# Altium PCB qfc.PcbDoc (part 11 of 13) (continued)
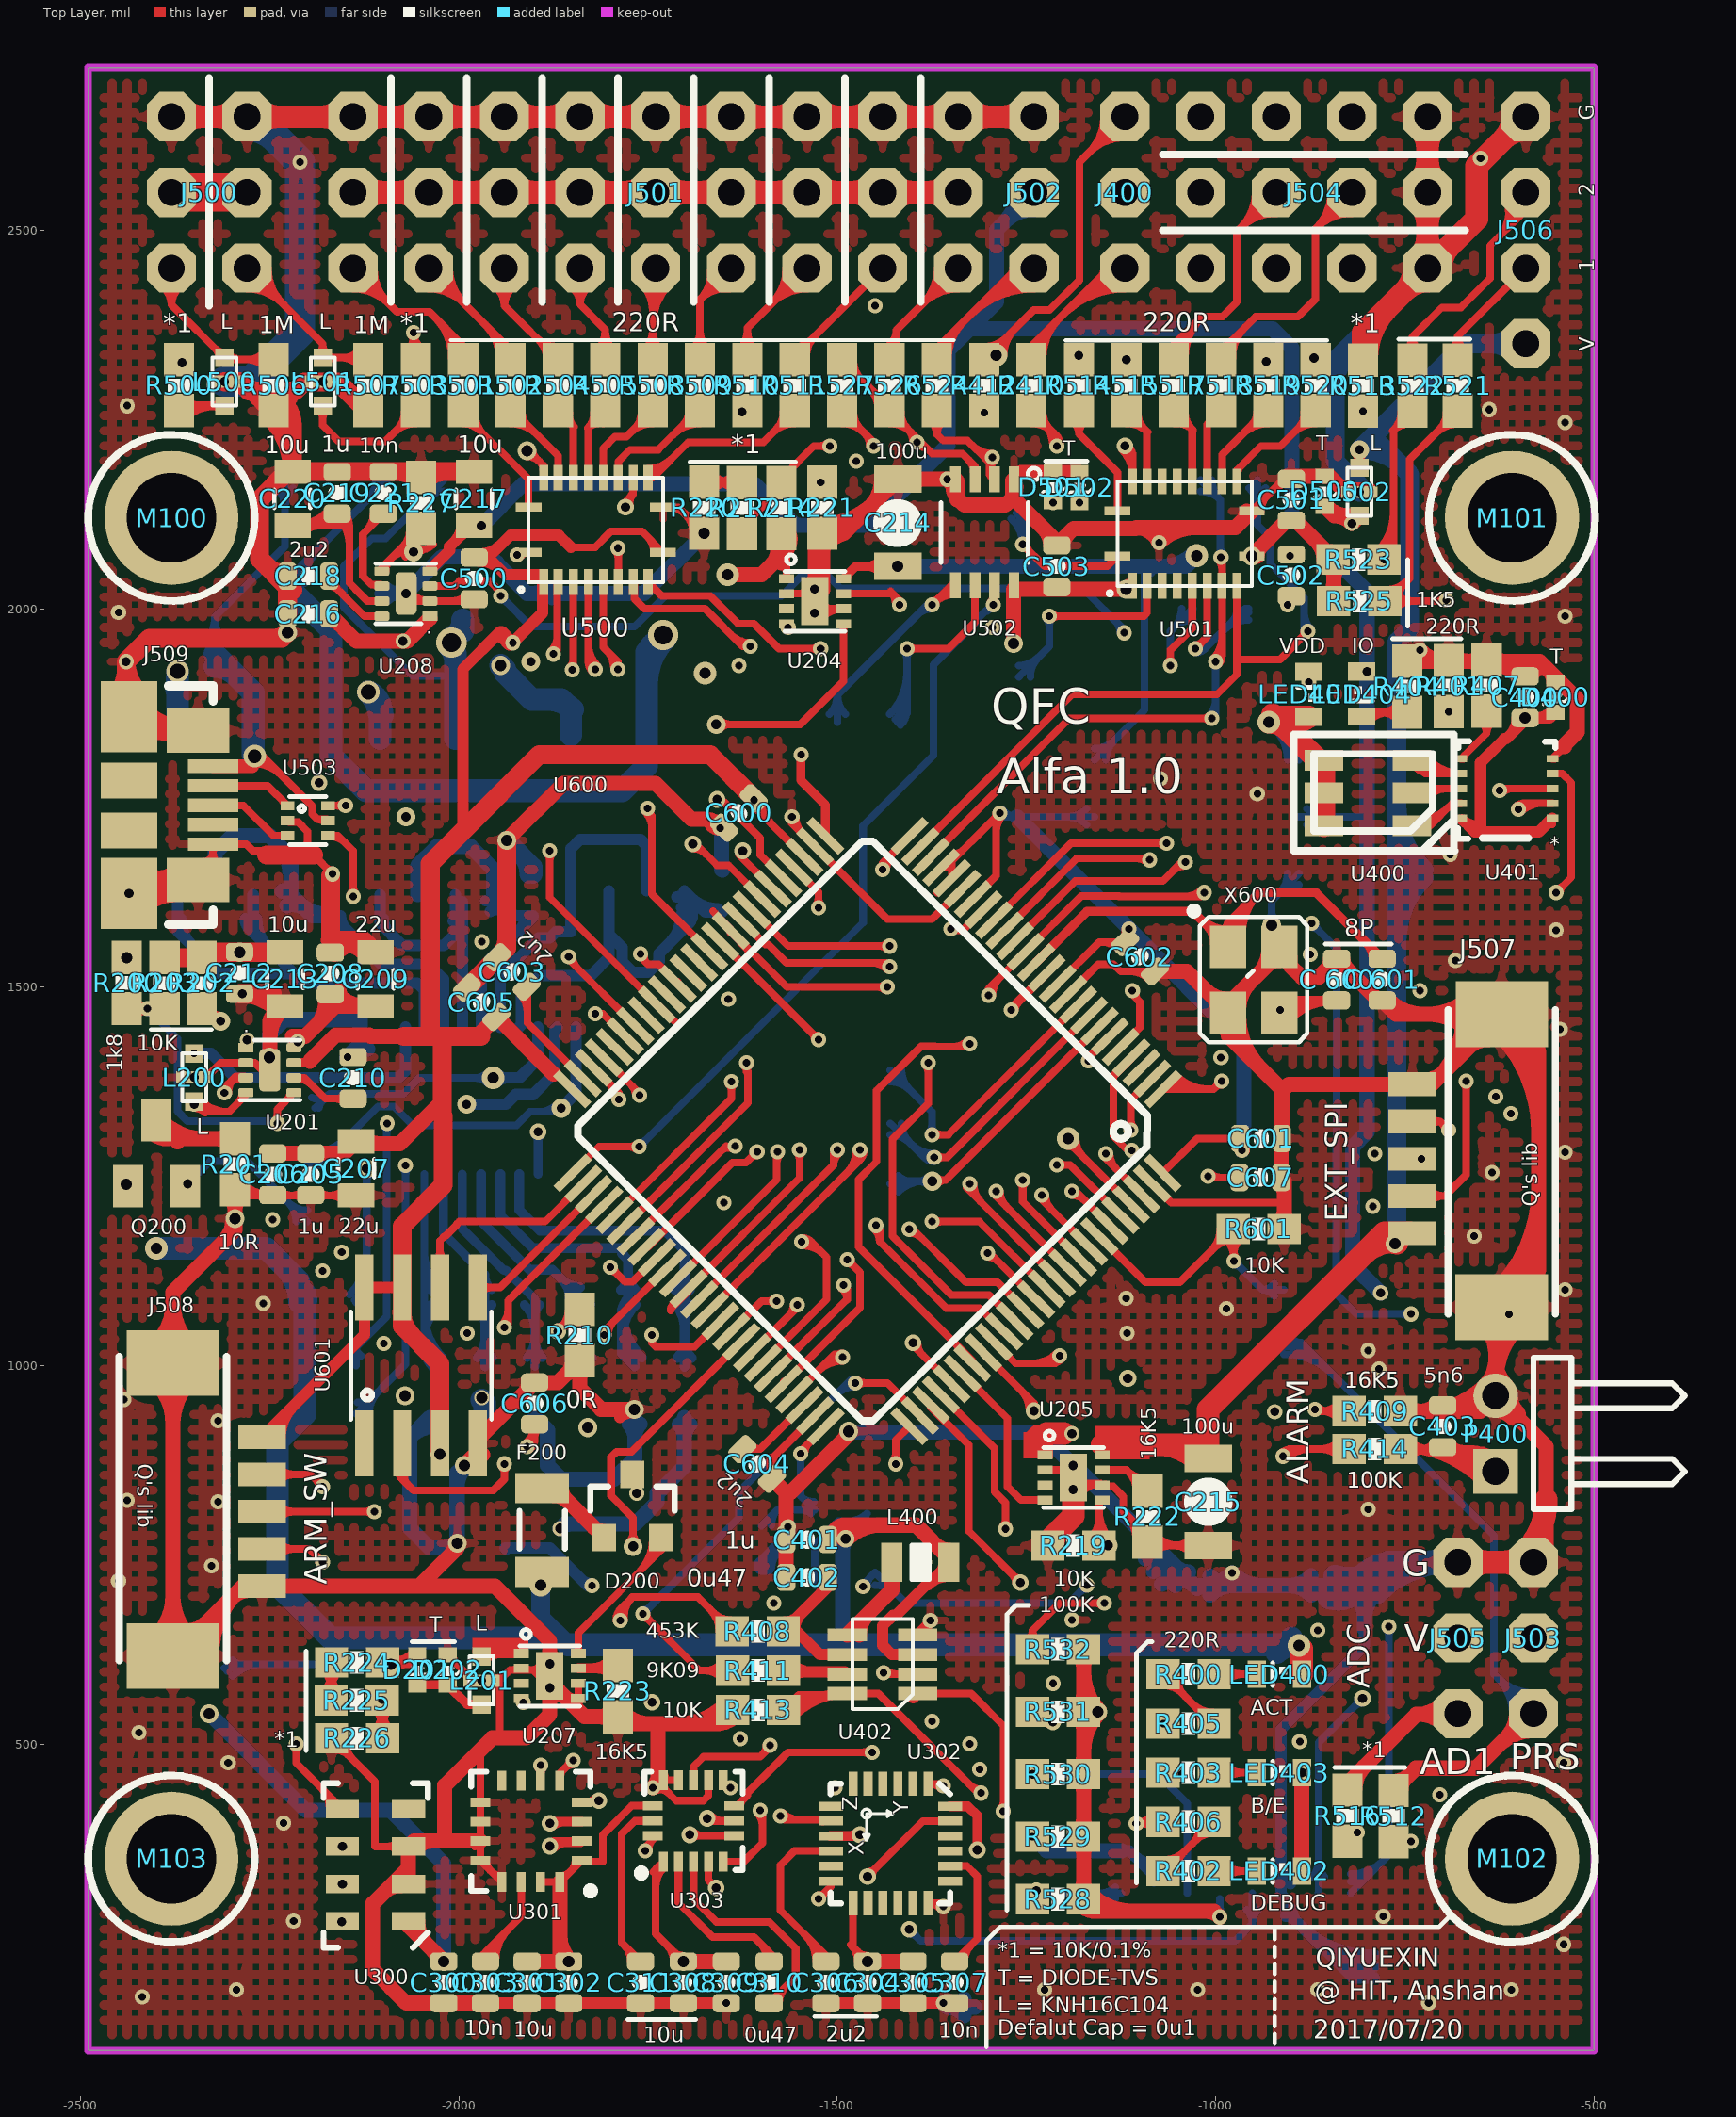
[diagram p0: Top Layer view]
## Nets (pads, with @x,y where several pads share a name; then routed paths per layer and width w, separated by ;. In a path a pad name is that pad's centre, name@x,y a point inside that pad or via, vN(x,y) a via of type N, cw(c..) or ccw(c..) an arc to the next point about the centre after c; other vN are vias at no path point) (continued)
  Mid-Layer 1 w10: v1(-1449,1185) v1@-1448,1185
  Mid-Layer 2 w10: v1(-1454,489) -1467,502 -1467,609 -1424,652 -1424,839.89 -1445,860.89 -1445,879.11 -1424,900.11 -1424,1160 v1(-1449,1185) ; -1462.54,497.54 cw(c-1471.07,489) v1@-1459,489 ; -1462.54,497.54 ccw(c-1454,506.07) v1@-1454,494 ; -1462.54,497.54 cw(c-1471.07,489) v1@-1459,489 ; -1462.54,497.54 ccw(c-1454,506.07) v1@-1454,494 ; -1462.54,497.54 cw(c-1471.07,489) v1@-1459,489 ; -1462.54,497.54 ccw(c-1454,506.07) v1@-1454,494 ; v1@-1449,1180 cw(c-1449,1167.93) -1440.46,1176.46 ; v1@-1449,1180 cw(c-1449,1167.93) -1440.46,1176.46 ; v1@-1449,1180 cw(c-1449,1167.93) -1440.46,1176.46 ; v1@-1449,1180 cw(c-1449,1167.93) -1440.46,1176.46 ; v1@-1444,1185 ccw(c-1431.93,1185) -1440.46,1176.46 ; v1@-1444,1185 ccw(c-1431.93,1185) -1440.46,1176.46 ; v1@-1444,1185 ccw(c-1431.93,1185) -1440.46,1176.46 ; v1@-1444,1185 ccw(c-1431.93,1185) -1440.46,1176.46
NetU303_9: U303.9 U600.91 | length 1680.5
  Top Layer w10: v1(-1290,1230) -1290,1223.52 U600.91@-1195.5,1129.02 ; v1@-1285,1230 ccw(c-1257.28,1230) -1276.88,1210.4 ; v1@-1285,1230 ccw(c-1257.28,1230) -1276.88,1210.4 ; v1@-1285,1230 ccw(c-1257.28,1230) -1276.88,1210.4 ; v1@-1285,1230 ccw(c-1257.28,1230) -1276.88,1210.4
  Mid-Layer 1 w10: v1(-1650,1215) -1305,1215 v1(-1290,1230) ; v1@-1646.46,1211.46 cw(c-1637.93,1202.93) -1637.93,1215 ; v1@-1646.46,1211.46 cw(c-1637.93,1202.93) -1637.93,1215 ; v1@-1646.46,1211.46 cw(c-1637.93,1202.93) -1637.93,1215 ; v1@-1646.46,1211.46 cw(c-1637.93,1202.93) -1637.93,1215 ; v1@-1646.46,1218.54 ccw(c-1637.93,1227.07) -1637.93,1215 ; v1@-1646.46,1218.54 ccw(c-1637.93,1227.07) -1637.93,1215 ; v1@-1646.46,1218.54 ccw(c-1637.93,1227.07) -1637.93,1215 ; v1@-1646.46,1218.54 ccw(c-1637.93,1227.07) -1637.93,1215 ; -1298.54,1221.46 cw(c-1290,1212.93) v1@-1290,1225 ; -1298.54,1221.46 ccw(c-1307.07,1230) v1@-1295,1230 ; -1298.54,1221.46 cw(c-1290,1212.93) v1@-1290,1225 ; -1298.54,1221.46 ccw(c-1307.07,1230) v1@-1295,1230 ; -1298.54,1221.46 cw(c-1290,1212.93) v1@-1290,1225 ; -1298.54,1221.46 ccw(c-1307.07,1230) v1@-1295,1230 ; -1298.54,1221.46 cw(c-1290,1212.93) v1@-1290,1225 ; -1298.54,1221.46 ccw(c-1307.07,1230) v1@-1295,1230
  Mid-Layer 2 w10: v1(-1650,1215) -1650,475 -1645,470 -1645,450 -1641,446 -1641,441 v1(-1641,442) ; v1@-1653.54,1211.46 cw(c-1662.07,1202.93) -1650,1202.93 ; v1@-1653.54,1211.46 cw(c-1662.07,1202.93) -1650,1202.93 ; v1@-1653.54,1211.46 cw(c-1662.07,1202.93) -1650,1202.93 ; v1@-1653.54,1211.46 cw(c-1662.07,1202.93) -1650,1202.93 ; -1650,1202.93 cw(c-1637.93,1202.93) v1@-1646.46,1211.46 ; -1650,1202.93 cw(c-1637.93,1202.93) v1@-1646.46,1211.46 ; -1650,1202.93 cw(c-1637.93,1202.93) v1@-1646.46,1211.46 ; -1650,1202.93 cw(c-1637.93,1202.93) v1@-1646.46,1211.46 ; -1645,463.73 ccw(c-1619.27,463.73) v1@-1637.46,445.54 ; -1645,463.73 ccw(c-1619.27,463.73) v1@-1637.46,445.54 ; -1645,463.73 ccw(c-1619.27,463.73) v1@-1637.46,445.54 ; -1645,463.73 ccw(c-1619.27,463.73) v1@-1637.46,445.54
NetU303_11: U303.11 U600.90 | length 1775.3
  Top Layer w10: U303.11@-1690,452.27 -1690,470 -1677,483 -1602,483 v1@-1587,498 ; v1@-1329.66,1235.34 U600.90@-1209.42,1115.1 ; -1598.64,486.36 ccw(c-1610.27,498) v1@-1593.82,498 ; -1598.64,486.36 ccw(c-1610.27,498) v1@-1593.82,498 ; -1598.64,486.36 ccw(c-1610.27,498) v1@-1593.82,498 ; -1598.64,486.36 ccw(c-1610.27,498) v1@-1593.82,498 ; v1@-1320,1240 ccw(c-1285.43,1240) -1309.87,1215.55 ; v1@-1320,1240 ccw(c-1285.43,1240) -1309.87,1215.55 ; v1@-1320,1240 ccw(c-1285.43,1240) -1309.87,1215.55 ; v1@-1320,1240 ccw(c-1285.43,1240) -1309.87,1215.55
  Mid-Layer 1 w10: v1(-1588.82,498) -1574.82,512 -1440.89,512 -1433.89,505 v1@-1325,505 ; v1@-1588.82,503 ccw(c-1588.82,515.07) -1580.28,506.54 ; v1@-1588.82,503 ccw(c-1588.82,515.07) -1580.28,506.54 ; v1@-1588.82,503 ccw(c-1588.82,515.07) -1580.28,506.54 ; v1@-1583.82,498 cw(c-1571.75,498) -1580.28,506.54 ; v1@-1583.82,498 cw(c-1571.75,498) -1580.28,506.54 ; v1@-1583.82,498 cw(c-1571.75,498) -1580.28,506.54 ; -1349.14,505 cw(c-1349.14,475.86) v1@-1328.54,496.46 ; -1349.14,505 cw(c-1349.14,475.86) v1@-1328.54,496.46 ; -1349.14,505 cw(c-1349.14,475.86) v1@-1328.54,496.46 ; -1349.14,505 cw(c-1349.14,475.86) v1@-1328.54,496.46
  Mid-Layer 2 w10: v1(-1325,500) v1(-1325,1240) ; v1@-1328.54,503.54 ccw(c-1337.07,512.07) -1325,512.07 ; v1@-1328.54,503.54 ccw(c-1337.07,512.07) -1325,512.07 ; v1@-1328.54,503.54 ccw(c-1337.07,512.07) -1325,512.07 ; v1@-1328.54,503.54 ccw(c-1337.07,512.07) -1325,512.07 ; v1@-1328.54,1236.46 cw(c-1337.07,1227.93) -1325,1227.93 ; v1@-1328.54,1236.46 cw(c-1337.07,1227.93) -1325,1227.93 ; v1@-1328.54,1236.46 cw(c-1337.07,1227.93) -1325,1227.93 ; v1@-1328.54,1236.46 cw(c-1337.07,1227.93) -1325,1227.93 ; -1325,512.07 ccw(c-1312.93,512.07) v1@-1321.46,503.54 ; -1325,512.07 ccw(c-1312.93,512.07) v1@-1321.46,503.54 ; -1325,512.07 ccw(c-1312.93,512.07) v1@-1321.46,503.54 ; -1325,512.07 ccw(c-1312.93,512.07) v1@-1321.46,503.54 ; -1325,1227.93 cw(c-1312.93,1227.93) v1@-1321.46,1236.46 ; -1325,1227.93 cw(c-1312.93,1227.93) v1@-1321.46,1236.46 ; -1325,1227.93 cw(c-1312.93,1227.93) v1@-1321.46,1236.46 ; -1325,1227.93 cw(c-1312.93,1227.93) v1@-1321.46,1236.46
NetU400_C1: U400.C1 U401.9 | length 439.7
  Top Layer w10: U400.C1@-740.61,1713.2 -716.79,1713.21 -687.31,1742.69 U401.9@-675.63,1742.69 ; U400.C1@-728.8,1711.98 ccw(c-728.8,1738.03) -710.39,1719.61 ; U400.C1@-728.8,1711.98 ccw(c-728.8,1738.03) -710.39,1719.61 ; U400.C1@-728.8,1711.98 ccw(c-728.8,1738.03) -710.39,1719.61 ; U400.C1@-728.8,1711.98 ccw(c-728.8,1738.03) -710.39,1719.61 ; U400.C1@-728.8,1721.98 ccw(c-728.8,1772.17) -693.32,1736.68 ; U400.C1@-728.8,1721.98 ccw(c-728.8,1772.17) -693.32,1736.68 ; U400.C1@-728.8,1721.98 ccw(c-728.8,1772.17) -693.32,1736.68 ; U400.C1@-728.8,1721.98 ccw(c-728.8,1772.17) -693.32,1736.68 ; -693.35,1736.65 cw(c-678.58,1721.87) U401.9@-678.58,1742.76 ; -693.35,1736.65 cw(c-678.58,1721.87) U401.9@-678.58,1742.76 ; -693.35,1736.65 cw(c-678.58,1721.87) U401.9@-678.58,1742.76 ; -693.35,1736.65 cw(c-678.58,1721.87) U401.9@-678.58,1742.76 ; -691.68,1738.32 cw(c-680.63,1727.26) U401.9@-678.57,1742.76 ; -691.68,1738.32 cw(c-680.63,1727.26) U401.9@-678.57,1742.76 ; -691.68,1738.32 cw(c-680.63,1727.26) U401.9@-678.57,1742.76 ; -691.68,1738.32 cw(c-680.63,1727.26) U401.9@-678.57,1742.76
NetU400_C2: U400.C2 U401.8 | length 196.8
  Top Layer w10: U400.C2@-740.61,1756.51 -734.76,1762.37 U401.8@-675.63,1762.37 ; U400.C2@-722.6,1750.3 cw(c-693.47,1721.18) -693.47,1762.37 ; U400.C2@-722.6,1750.3 cw(c-693.47,1721.18) -693.47,1762.37 ; U400.C2@-722.6,1750.3 cw(c-693.47,1721.18) -693.47,1762.37 ; U400.C2@-722.6,1750.3 cw(c-693.46,1721.17) -693.46,1762.37
NetU400_C3: U400.C3 U401.7 | length 541.5
  Top Layer w10: U400.C3@-740.61,1799.82 -723.09,1782.29 U401.7@-675.87,1782.29 ; U401.7@-675.63,1782.06 U401.7@-675.87,1782.29 ; U400.C3@-737.75,1793.04 ccw(c-716.11,1809.43) -716.11,1782.29 ; U400.C3@-737.75,1793.04 ccw(c-716.11,1809.43) -716.11,1782.29 ; U400.C3@-737.75,1793.04 ccw(c-716.11,1809.43) -716.11,1782.29 ; U400.C3@-737.75,1793.04 ccw(c-716.11,1809.43) -716.11,1782.29 ; U400.C3@-729.78,1799.08 ccw(c-695.99,1824.68) -695.99,1782.29 ; U400.C3@-729.78,1799.08 ccw(c-695.99,1824.68) -695.99,1782.29 ; U400.C3@-729.78,1799.08 ccw(c-695.99,1824.68) -695.99,1782.29 ; U400.C3@-729.78,1799.08 ccw(c-695.99,1824.68) -695.99,1782.29 ; U400.C3@-721.81,1805.12 ccw(c-675.87,1839.92) U401.7@-675.87,1782.29 ; U400.C3@-721.81,1805.12 ccw(c-675.87,1839.92) U401.7@-675.87,1782.29 ; U400.C3@-721.81,1805.12 ccw(c-675.87,1839.92) U401.7@-675.87,1782.29 ; U400.C3@-721.81,1805.12 ccw(c-675.87,1839.92) U401.7@-675.87,1782.29
NetU401_2: U401.2 U600.48 | length 2273.6
  Top Layer w10: U600.48@-1822.01,1393.41 v1@-1788.6,1360 ; v1(-600,1735) -592.32,1742.68 U401.2@-555,1742.68 ; U600.48@-1803.21,1374.62 cw(c-1826.43,1351.4) v1@-1793.6,1351.4 ; U600.48@-1803.21,1374.62 cw(c-1826.43,1351.4) v1@-1793.6,1351.4 ; U600.48@-1803.21,1374.62 cw(c-1826.43,1351.4) v1@-1793.6,1351.4 ; U600.48@-1803.21,1374.62 cw(c-1826.43,1351.4) v1@-1793.6,1351.4 ; v1@-603.54,1738.54 cw(c-593.52,1728.52) -593.52,1742.68 ; v1@-603.54,1738.54 cw(c-593.52,1728.52) -593.52,1742.68 ; v1@-603.54,1738.54 cw(c-593.52,1728.52) -593.52,1742.68 ; v1@-603.54,1738.54 cw(c-593.52,1728.52) -593.52,1742.68 ; v1@-596.46,1731.46 cw(c-569.38,1704.38) -569.38,1742.68 ; v1@-596.46,1731.46 cw(c-569.38,1704.38) -569.38,1742.68 ; v1@-596.46,1731.46 cw(c-569.38,1704.38) -569.38,1742.68 ; v1@-596.46,1731.46 cw(c-569.38,1704.38) -569.38,1742.68
  Mid-Layer 1 w10: v1(-1788.6,1351.4) -1772.2,1335 -1705,1335 ; -1703,1333 v1(-610,1333) ; v1@-1788.6,1346.4 cw(c-1788.6,1334.33) -1780.06,1342.87 ; v1@-1788.6,1346.4 cw(c-1788.6,1334.33) -1780.06,1342.87 ; v1@-1788.6,1346.4 cw(c-1788.6,1334.33) -1780.06,1342.87 ; v1@-1788.6,1346.4 cw(c-1788.6,1334.33) -1780.06,1342.87 ; v1@-1783.6,1351.4 ccw(c-1771.53,1351.4) -1780.06,1342.87 ; v1@-1783.6,1351.4 ccw(c-1771.53,1351.4) -1780.06,1342.87 ; v1@-1783.6,1351.4 ccw(c-1771.53,1351.4) -1780.06,1342.87 ; v1@-1783.6,1351.4 ccw(c-1771.53,1351.4) -1780.06,1342.87 ; -622.07,1333 cw(c-622.07,1320.93) v1@-613.54,1329.46 ; -622.07,1333 ccw(c-622.07,1345.07) v1@-613.54,1336.54 ; -622.07,1333 cw(c-622.07,1320.93) v1@-613.54,1329.46 ; -622.07,1333 ccw(c-622.07,1345.07) v1@-613.54,1336.54 ; -622.07,1333 cw(c-622.07,1320.93) v1@-613.54,1329.46 ; -622.07,1333 ccw(c-622.07,1345.07) v1@-613.54,1336.54 ; -622.07,1333 cw(c-622.07,1320.93) v1@-613.54,1329.46 ; -622.07,1333 ccw(c-622.07,1345.07) v1@-613.54,1336.54
  Mid-Layer 2 w10: v1@-605,1338 v1@-605,1730 ; v1@-613.54,1336.54 ccw(c-634.14,1357.14) -605,1357.14 ; v1@-613.54,1336.54 ccw(c-634.14,1357.14) -605,1357.14 ; v1@-613.54,1336.54 ccw(c-634.14,1357.14) -605,1357.14 ; v1@-613.54,1336.54 ccw(c-634.14,1357.14) -605,1357.14 ; -605,1710.86 cw(c-575.86,1710.86) v1@-596.46,1731.46 ; -605,1710.86 cw(c-575.86,1710.86) v1@-596.46,1731.46 ; -605,1710.86 cw(c-575.86,1710.86) v1@-596.46,1731.46 ; -605,1710.86 cw(c-575.86,1710.86) v1@-596.46,1731.46
NetU401_3: U401.3 U600.47 | length 2134.3
  Top Layer w10: U600.47@-1808.58,1406.85 -1761.6,1359.87 v1(-1761.6,1357) ; v1(-625,1760) -622.63,1762.37 U401.3@-555,1762.37 ; -1772.16,1370.44 cw(c-1785.6,1357) v1@-1766.6,1357 ; -1772.16,1370.44 cw(c-1785.6,1357) v1@-1766.6,1357 ; -1772.16,1370.44 cw(c-1785.6,1357) v1@-1766.6,1357 ; -1772.16,1370.44 cw(c-1785.6,1357) v1@-1766.6,1357 ; v1@-621.46,1756.46 cw(c-607.21,1742.21) -607.21,1762.37 ; v1@-621.46,1756.46 cw(c-607.21,1742.21) -607.21,1762.37 ; v1@-621.46,1756.46 cw(c-607.21,1742.21) -607.21,1762.37 ; v1@-621.46,1756.46 cw(c-607.21,1742.21) -607.21,1762.37
  Mid-Layer 1 w10: v1(-1761.6,1357) -1756.6,1352 -633,1352 v1(-630,1355) ; v1@-1758.06,1360.54 ccw(c-1737.46,1381.14) -1737.46,1352 ; v1@-1758.06,1360.54 ccw(c-1737.46,1381.14) -1737.46,1352 ; v1@-1758.06,1360.54 ccw(c-1737.46,1381.14) -1737.46,1352 ; v1@-1758.06,1360.54 ccw(c-1737.46,1381.14) -1737.46,1352 ; -649.31,1352 ccw(c-649.31,1374.31) v1@-633.54,1358.54 ; -649.31,1352 ccw(c-649.31,1374.31) v1@-633.54,1358.54 ; -649.31,1352 ccw(c-649.31,1374.31) v1@-633.54,1358.54 ; -649.31,1352 ccw(c-649.31,1374.31) v1@-633.54,1358.54
  Mid-Layer 2 w10: v1(-630,1355) -630,1755 v1(-625,1760) ; v1@-633.54,1358.54 ccw(c-642.07,1367.07) -630,1367.07 ; v1@-633.54,1358.54 ccw(c-642.07,1367.07) -630,1367.07 ; v1@-633.54,1358.54 ccw(c-642.07,1367.07) -630,1367.07 ; v1@-633.54,1358.54 ccw(c-642.07,1367.07) -630,1367.07 ; -630,1367.07 ccw(c-617.93,1367.07) v1@-626.46,1358.54 ; -630,1367.07 ccw(c-617.93,1367.07) v1@-626.46,1358.54 ; -630,1367.07 ccw(c-617.93,1367.07) v1@-626.46,1358.54 ; -630,1367.07 ccw(c-617.93,1367.07) v1@-626.46,1358.54 ; -630,1735.86 cw(c-600.86,1735.86) v1@-621.46,1756.46 ; -630,1735.86 cw(c-600.86,1735.86) v1@-621.46,1756.46 ; -630,1735.86 cw(c-600.86,1735.86) v1@-621.46,1756.46 ; -630,1735.86 cw(c-600.86,1735.86) v1@-621.46,1756.46
NetU500_1: U500.1 U600.40 | length 1334.7
  Top Layer w10: v1(-1923,2071) -1919.53,2074.47 U500.1@-1908,2074.47 ; v1(-1760,1544) -1760,1540 -1750,1530 -1736.57,1530 U600.40@-1711,1504.43 U600.40@-1711,1507.26 ; v1@-1918.72,2068.42 cw(c-1908,2061.96) U500.1@-1908,2074.47 ; v1@-1918.72,2068.42 cw(c-1908,2061.96) U500.1@-1908,2074.47 ; v1@-1918.72,2068.42 cw(c-1908,2061.96) U500.1@-1908,2074.47 ; v1@-1918.72,2068.42 cw(c-1908,2061.96) U500.1@-1908,2074.47 ; v1@-1755.13,1542.88 ccw(c-1743.74,1540.26) -1752,1532 ; v1@-1755.13,1542.88 ccw(c-1743.74,1540.26) -1752,1532 ; v1@-1755.13,1542.88 ccw(c-1743.74,1540.26) -1752,1532
  Mid-Layer 1 w10: v1(-1970,1560) -1970,1555 -1930,1515 -1775,1515 -1755,1535 -1760,1540 v1(-1760,1544) ; v1@-1965,1560 ccw(c-1940.86,1560) -1957.93,1542.93 ; v1@-1965,1560 ccw(c-1940.86,1560) -1957.93,1542.93 ; v1@-1965,1560 ccw(c-1940.86,1560) -1957.93,1542.93 ; v1@-1965,1560 ccw(c-1940.86,1560) -1957.93,1542.93 ; -1768,1522 ccw(c-1780.41,1534.41) v1@-1764.53,1541.87 ; -1768,1522 ccw(c-1780.41,1534.41) v1@-1764.53,1541.87 ; -1768,1522 ccw(c-1780.41,1534.41) v1@-1764.53,1541.87 ; -1768,1522 ccw(c-1780.41,1534.41) v1@-1764.53,1541.87 ; -1757.93,1532.07 ccw(c-1766.71,1540.85) v1@-1755.47,1546.13 ; -1757.93,1532.07 ccw(c-1766.71,1540.85) v1@-1755.47,1546.13 ; -1757.93,1532.07 ccw(c-1766.71,1540.85) v1@-1755.47,1546.13 ; -1757.93,1532.07 ccw(c-1766.71,1540.85) v1@-1755.47,1546.13
  Mid-Layer 2 w10: v1(-1970,1560) -1970,1945 -1923,1992 v1(-1923,2071) ; v1@-1973.54,1563.54 ccw(c-1982.07,1572.07) -1970,1572.07 ; v1@-1973.54,1563.54 ccw(c-1982.07,1572.07) -1970,1572.07 ; v1@-1973.54,1563.54 ccw(c-1982.07,1572.07) -1970,1572.07 ; v1@-1973.54,1563.54 ccw(c-1982.07,1572.07) -1970,1572.07 ; -1970,1572.07 ccw(c-1957.93,1572.07) v1@-1966.46,1563.54 ; -1970,1572.07 ccw(c-1957.93,1572.07) v1@-1966.46,1563.54 ; -1970,1572.07 ccw(c-1957.93,1572.07) v1@-1966.46,1563.54 ; -1970,1572.07 ccw(c-1957.93,1572.07) v1@-1966.46,1563.54 ; v1@-1926.54,2067.46 cw(c-1935.07,2058.93) -1923,2058.93 ; v1@-1926.54,2067.46 cw(c-1935.07,2058.93) -1923,2058.93 ; v1@-1926.54,2067.46 cw(c-1935.07,2058.93) -1923,2058.93 ; v1@-1926.54,2067.46 cw(c-1935.07,2058.93) -1923,2058.93 ; -1923,2058.93 cw(c-1910.93,2058.93) v1@-1919.46,2067.46 ; -1923,2058.93 cw(c-1910.93,2058.93) v1@-1919.46,2067.46 ; -1923,2058.93 cw(c-1910.93,2058.93) v1@-1919.46,2067.46 ; -1923,2058.93 cw(c-1910.93,2058.93) v1@-1919.46,2067.46
NetU500_3: U500.3 U600.42 | length 984.5
  Top Layer w10: v1(-1880,1680) -1880,1618.28 U600.42@-1738.57,1476.85 -1737.16,1476.85 -1713.14,1452.83 ; v1(-1875,1940) -1870,1945 -1870,2034.1 U500.3@-1869,2035.1 ; v1@-1883.54,1676.46 cw(c-1892.07,1667.93) -1880,1667.93 ; v1@-1883.54,1676.46 cw(c-1892.07,1667.93) -1880,1667.93 ; v1@-1883.54,1676.46 cw(c-1892.07,1667.93) -1880,1667.93 ; v1@-1883.54,1676.46 cw(c-1892.07,1667.93) -1880,1667.93 ; -1880,1667.93 cw(c-1867.93,1667.93) v1@-1876.46,1676.46 ; -1880,1667.93 cw(c-1867.93,1667.93) v1@-1876.46,1676.46 ; -1880,1667.93 cw(c-1867.93,1667.93) v1@-1876.46,1676.46 ; -1880,1667.93 cw(c-1867.93,1667.93) v1@-1876.46,1676.46 ; v1@-1878.54,1943.54 ccw(c-1899.14,1964.14) -1870,1964.14 ; v1@-1878.54,1943.54 ccw(c-1899.14,1964.14) -1870,1964.14 ; v1@-1878.54,1943.54 ccw(c-1899.14,1964.14) -1870,1964.14 ; v1@-1878.54,1943.54 ccw(c-1899.14,1964.14) -1870,1964.14
  Mid-Layer 2 w10: v1(-1880,1680) v1@-1880,1935 ; v1@-1883.54,1683.54 ccw(c-1892.07,1692.07) -1880,1692.07 ; v1@-1883.54,1683.54 ccw(c-1892.07,1692.07) -1880,1692.07 ; v1@-1883.54,1683.54 ccw(c-1892.07,1692.07) -1880,1692.07 ; v1@-1883.54,1683.54 ccw(c-1892.07,1692.07) -1880,1692.07 ; -1880,1692.07 ccw(c-1867.93,1692.07) v1@-1876.46,1683.54 ; -1880,1692.07 ccw(c-1867.93,1692.07) v1@-1876.46,1683.54 ; -1880,1692.07 ccw(c-1867.93,1692.07) v1@-1876.46,1683.54 ; -1880,1692.07 ccw(c-1867.93,1692.07) v1@-1876.46,1683.54 ; -1880,1915.86 cw(c-1850.86,1915.86) v1@-1871.46,1936.46 ; -1880,1915.86 cw(c-1850.86,1915.86) v1@-1871.46,1936.46 ; -1880,1915.86 cw(c-1850.86,1915.86) v1@-1871.46,1936.46 ; -1880,1915.86 cw(c-1850.86,1915.86) v1@-1871.46,1936.46
NetU500_4: U500.4 U600.44 | length 904.5
  Top Layer w10: v1(-1855,1540) -1855,1536.71 U600.44@-1766.86,1448.57 ; v1(-1850.11,1919) -1849,1920.11 U500.4@-1849,2035.1 ; v1@-1853.65,1922.53 ccw(c-1864.87,1933.76) -1849,1933.76 ; v1@-1853.65,1922.53 ccw(c-1864.87,1933.76) -1849,1933.76 ; v1@-1853.65,1922.53 ccw(c-1864.87,1933.76) -1849,1933.76 ; v1@-1853.65,1922.53 ccw(c-1864.87,1933.76) -1849,1933.76 ; v1@-1850,1540 ccw(c-1829.99,1540) -1844.14,1525.85 ; v1@-1850,1540 ccw(c-1829.99,1540) -1844.14,1525.85 ; v1@-1850,1540 ccw(c-1829.99,1540) -1844.14,1525.85 ; v1@-1850,1540 ccw(c-1829.99,1540) -1844.14,1525.85
  Mid-Layer 2 w10: v1(-1855,1540) -1855,1914.11 v1(-1850.11,1919) ; v1@-1858.54,1543.54 ccw(c-1867.07,1552.07) -1855,1552.07 ; v1@-1858.54,1543.54 ccw(c-1867.07,1552.07) -1855,1552.07 ; v1@-1858.54,1543.54 ccw(c-1867.07,1552.07) -1855,1552.07 ; v1@-1858.54,1543.54 ccw(c-1867.07,1552.07) -1855,1552.07 ; -1855,1552.07 ccw(c-1842.93,1552.07) v1@-1851.46,1543.54 ; -1855,1552.07 ccw(c-1842.93,1552.07) v1@-1851.46,1543.54 ; -1855,1552.07 ccw(c-1842.93,1552.07) v1@-1851.46,1543.54 ; -1855,1552.07 ccw(c-1842.93,1552.07) v1@-1851.46,1543.54 ; -1855,1895.13 cw(c-1826.24,1895.13) v1@-1846.58,1915.46 ; -1855,1895.13 cw(c-1826.24,1895.13) v1@-1846.58,1915.46 ; -1855,1895.13 cw(c-1826.24,1895.13) v1@-1846.58,1915.46 ; -1855,1895.13 cw(c-1826.24,1895.13) v1@-1846.58,1915.46
NetU500_5: U500.5 U600.45 | length 970.6
  Top Layer w10: U500.5@-1829,2035.1 -1829,1929 v1(-1820,1920) ; v1(-1820,1465) -1810.16,1465 U600.45@-1780.29,1435.13 ; -1829,1929.65 ccw(c-1810.35,1929.65) v1@-1823.54,1916.46 ; -1829,1929.65 ccw(c-1810.35,1929.65) v1@-1823.54,1916.46 ; -1829,1929.65 ccw(c-1810.35,1929.65) v1@-1823.54,1916.46 ; -1829,1929.65 ccw(c-1810.35,1929.65) v1@-1823.54,1916.46 ; -1829,1953.8 ccw(c-1786.2,1953.8) v1@-1816.46,1923.54 ; -1829,1953.8 ccw(c-1786.2,1953.8) v1@-1816.46,1923.54 ; -1829,1953.8 ccw(c-1786.2,1953.8) v1@-1816.46,1923.54 ; -1829,1953.8 ccw(c-1786.2,1953.8) v1@-1816.46,1923.54
  Mid-Layer 2 w10: v1(-1820,1465) v1(-1820,1920) ; v1@-1823.54,1468.54 ccw(c-1832.07,1477.07) -1820,1477.07 ; v1@-1823.54,1468.54 ccw(c-1832.07,1477.07) -1820,1477.07 ; v1@-1823.54,1468.54 ccw(c-1832.07,1477.07) -1820,1477.07 ; v1@-1823.54,1468.54 ccw(c-1832.07,1477.07) -1820,1477.07 ; v1@-1823.54,1916.46 cw(c-1832.07,1907.93) -1820,1907.93 ; v1@-1823.54,1916.46 cw(c-1832.07,1907.93) -1820,1907.93 ; v1@-1823.54,1916.46 cw(c-1832.07,1907.93) -1820,1907.93 ; v1@-1823.54,1916.46 cw(c-1832.07,1907.93) -1820,1907.93 ; -1820,1477.07 ccw(c-1807.93,1477.07) v1@-1816.46,1468.54 ; -1820,1477.07 ccw(c-1807.93,1477.07) v1@-1816.46,1468.54 ; -1820,1477.07 ccw(c-1807.93,1477.07) v1@-1816.46,1468.54 ; -1820,1477.07 ccw(c-1807.93,1477.07) v1@-1816.46,1468.54 ; -1820,1907.93 cw(c-1807.93,1907.93) v1@-1816.46,1916.46 ; -1820,1907.93 cw(c-1807.93,1907.93) v1@-1816.46,1916.46 ; -1820,1907.93 cw(c-1807.93,1907.93) v1@-1816.46,1916.46 ; -1820,1907.93 cw(c-1807.93,1907.93) v1@-1816.46,1916.46
NetU500_6: U500.6 U600.59 | length 1275.1
  Top Layer w10: U500.6@-1809.16,2035.1 -1809.16,1949.16 -1790,1930 ; v1(-1800,1130) -1780.68,1110.68 -1770.68,1110.68 U600.59@-1738.42,1142.94 ; -1805.61,1945.61 cw(c-1831.21,1920) v1@-1795,1920 ; -1805.61,1945.61 cw(c-1831.21,1920) v1@-1795,1920 ; -1805.61,1945.61 cw(c-1831.21,1920) v1@-1795,1920 ; -1805.61,1945.61 cw(c-1831.21,1920) v1@-1795,1920 ; v1@-1800,1125 cw(c-1800,1112.93) -1791.46,1121.46 ; v1@-1800,1125 cw(c-1800,1112.93) -1791.46,1121.46 ; v1@-1800,1125 cw(c-1800,1112.93) -1791.46,1121.46 ; v1@-1800,1125 cw(c-1800,1112.93) -1791.46,1121.46 ; v1@-1795,1130 ccw(c-1782.93,1130) -1791.46,1121.46 ; v1@-1795,1130 ccw(c-1782.93,1130) -1791.46,1121.46 ; v1@-1795,1130 ccw(c-1782.93,1130) -1791.46,1121.46 ; v1@-1795,1130 ccw(c-1782.93,1130) -1791.46,1121.46
  Mid-Layer 2 w10: v1(-1800,1130) -1816,1146 -1816,1280 -1836.15,1300.15 -1836.15,1417.73 -1798,1455.89 -1798,1526.85 -1799,1527.85 -1799,1560.15 -1798,1561.15 -1798,1912 ; -1808.54,1138.54 cw(c-1817.07,1130) v1@-1805,1130 ; -1808.54,1138.54 ccw(c-1800,1147.07) v1@-1800,1135 ; -1808.54,1138.54 cw(c-1817.07,1130) v1@-1805,1130 ; -1808.54,1138.54 ccw(c-1800,1147.07) v1@-1800,1135 ; -1808.54,1138.54 cw(c-1817.07,1130) v1@-1805,1130 ; -1808.54,1138.54 ccw(c-1800,1147.07) v1@-1800,1135 ; -1808.54,1138.54 cw(c-1817.07,1130) v1@-1805,1130 ; -1808.54,1138.54 ccw(c-1800,1147.07) v1@-1800,1135
  other v1: -1790,1920
NetU500_7: U500.7 U600.60 | length 1572.8
  Top Layer w10: v1(-1808.16,1040.27) -1808.34,1040.27 v1@-1808.34,1041 ; v1@-1808.16,1041 v1@-1808.34,1041 ; U500.7@-1789.47,2035.1 v1@-1789.47,2079.47 ; U600.60@-1724.5,1129.02 -1808.34,1045.18 v1@-1808.34,1041 ; v1@-1803.16,1040.27 cw(c-1778.79,1040.27) -1796.02,1057.5 ; v1@-1803.16,1040.27 cw(c-1778.79,1040.27) -1796.02,1057.5 ; v1@-1803.16,1040.27 cw(c-1778.79,1040.27) -1796.02,1057.5 ; v1@-1803.16,1040.27 cw(c-1778.79,1040.27) -1796.02,1057.5 ; v1@-1793.54,2076.46 cw(c-1803.35,2066.65) -1789.47,2066.65 ; v1@-1793.54,2076.46 cw(c-1803.35,2066.65) -1789.47,2066.65 ; v1@-1793.54,2076.46 cw(c-1803.35,2066.65) -1789.47,2066.65 ; v1@-1793.54,2076.46 cw(c-1803.35,2066.65) -1789.47,2066.65 ; -1789.47,2069.21 cw(c-1779.21,2069.21) v1@-1786.46,2076.46 ; -1789.47,2069.21 cw(c-1779.21,2069.21) v1@-1786.46,2076.46 ; -1789.47,2069.21 cw(c-1779.21,2069.21) v1@-1786.46,2076.46 ; -1789.47,2069.21 cw(c-1779.21,2069.21) v1@-1786.46,2076.46
  Mid-Layer 2 w10: v1(-1790,2080) -1768,2058 -1768,1910.89 -1777,1901.89 -1777,1558.11 -1782,1553.11 -1782,1534.89 -1777,1529.89 -1777,1438.42 -1814,1401.42 -1814,1310 -1794.09,1290.09 -1794.09,1164.09 -1778,1148 -1778,1116 -1808.16,1085.84 v1@-1808.16,1041 ; v1@-1811.69,1043.8 ccw(c-1820.23,1052.34) -1808.16,1052.34 ; v1@-1811.69,1043.8 ccw(c-1820.23,1052.34) -1808.16,1052.34 ; v1@-1811.69,1043.8 ccw(c-1820.23,1052.34) -1808.16,1052.34 ; v1@-1811.69,1043.8 ccw(c-1820.23,1052.34) -1808.16,1052.34 ; v1@-1808.16,1041 -1808.34,1041 -1808.34,1040.27 v1(-1808.16,1040.27) v1@-1808.16,1041 ; -1808.16,1052.34 ccw(c-1796.09,1052.34) v1@-1804.62,1043.8 ; -1808.16,1052.34 ccw(c-1796.09,1052.34) v1@-1804.62,1043.8 ; -1808.16,1052.34 ccw(c-1796.09,1052.34) v1@-1804.62,1043.8 ; -1808.16,1052.34 ccw(c-1796.09,1052.34) v1@-1804.62,1043.8 ; v1@-1790,2075 cw(c-1790,2062.93) -1781.46,2071.46 ; v1@-1790,2075 cw(c-1790,2062.93) -1781.46,2071.46 ; v1@-1790,2075 cw(c-1790,2062.93) -1781.46,2071.46 ; v1@-1790,2075 cw(c-1790,2062.93) -1781.46,2071.46 ; v1@-1785,2080 ccw(c-1772.93,2080) -1781.46,2071.46 ; v1@-1785,2080 ccw(c-1772.93,2080) -1781.46,2071.46 ; v1@-1785,2080 ccw(c-1772.93,2080) -1781.46,2071.46 ; v1@-1785,2080 ccw(c-1772.93,2080) -1781.46,2071.46
NetU500_8: U500.8 U600.61 | length 1498.8
  Top Layer w10: U500.8@-1769.79,2035.1 -1768.1,2033.42 -1768.1,2013.1 -1755,2000 -1675,2000 -1625,1950 v1(-1615,1950) ; U600.61@-1710.58,1115.1 -1580,1245.68 -1580,1281.5 v1(-1579,1282.5) ; U500.8@-1770.49,2023.39 cw(c-1776.27,2017.62) -1768.1,2017.62 ; U500.8@-1770.49,2023.39 cw(c-1776.27,2017.62) -1768.1,2017.62 ; U500.8@-1770.49,2023.39 cw(c-1776.27,2017.62) -1768.1,2017.62 ; U500.8@-1770.49,2023.39 cw(c-1776.27,2017.62) -1768.1,2017.62 ; -1640.61,1965.61 ccw(c-1615,1991.21) v1@-1615,1955 ; -1640.61,1965.61 ccw(c-1615,1991.21) v1@-1615,1955 ; -1640.61,1965.61 ccw(c-1615,1991.21) v1@-1615,1955 ; -1640.61,1965.61 ccw(c-1615,1991.21) v1@-1615,1955 ; -1580,1268.02 cw(c-1564.52,1268.02) v1@-1575.46,1278.96 ; -1580,1268.02 cw(c-1564.52,1268.02) v1@-1575.46,1278.96 ; -1580,1268.02 cw(c-1564.52,1268.02) v1@-1575.46,1278.96 ; -1580,1268.02 cw(c-1564.52,1268.02) v1@-1575.46,1278.96
  Mid-Layer 2 w10: v1(-1615,1950) -1580,1950 -1579,1949 -1579,1740.11 -1582,1737.11 -1582,1599.11 -1543,1560.11 -1543,1520.89 -1579,1484.89 v1(-1579,1282.5) ; v1@-1611.46,1946.46 cw(c-1602.93,1937.93) -1602.93,1950 ; v1@-1611.46,1946.46 cw(c-1602.93,1937.93) -1602.93,1950 ; v1@-1611.46,1946.46 cw(c-1602.93,1937.93) -1602.93,1950 ; v1@-1611.46,1946.46 cw(c-1602.93,1937.93) -1602.93,1950 ; v1@-1611.46,1953.54 ccw(c-1602.93,1962.07) -1602.93,1950 ; v1@-1611.46,1953.54 ccw(c-1602.93,1962.07) -1602.93,1950 ; v1@-1611.46,1953.54 ccw(c-1602.93,1962.07) -1602.93,1950 ; v1@-1611.46,1953.54 ccw(c-1602.93,1962.07) -1602.93,1950 ; v1@-1582.54,1286.04 ccw(c-1591.07,1294.57) -1579,1294.57 ; v1@-1582.54,1286.04 ccw(c-1591.07,1294.57) -1579,1294.57 ; v1@-1582.54,1286.04 ccw(c-1591.07,1294.57) -1579,1294.57 ; v1@-1582.54,1286.04 ccw(c-1591.07,1294.57) -1579,1294.57 ; -1579,1294.57 ccw(c-1566.93,1294.57) v1@-1575.46,1286.04 ; -1579,1294.57 ccw(c-1566.93,1294.57) v1@-1575.46,1286.04 ; -1579,1294.57 ccw(c-1566.93,1294.57) v1@-1575.46,1286.04 ; -1579,1294.57 ccw(c-1566.93,1294.57) v1@-1575.46,1286.04
NetU500_9: U500.9 U600.62 | length 1646.4
  Top Layer w10: U500.9@-1750.1,2035.1 -1732,2017 -1667.96,2017 -1630.96,1980 -1610,1980 -1577,1947 v1(-1522,1947) ; -1720.19,1074.81 -1720.19,1075.26 -1696.66,1098.8 U600.62@-1696.66,1101.18 -1550,1247.84 v1(-1550,1285) ; -1720.19,1072.74 cw(c-1708.72,1072.74) U600.62@-1713.23,1083.29 ; -1720.19,1072.74 cw(c-1708.72,1072.74) U600.62@-1713.23,1083.29 ; -1720.19,1072.74 cw(c-1708.72,1072.74) U600.62@-1713.23,1083.29 ; -1720.19,1072.74 cw(c-1708.72,1072.74) U600.62@-1713.23,1083.29 ; -1720.19,1073.11 cw(c-1709.27,1073.11) U600.62@-1713.26,1083.28 ; -1720.19,1073.11 cw(c-1709.27,1073.11) U600.62@-1713.26,1083.28 ; -1720.19,1073.11 cw(c-1709.27,1073.11) U600.62@-1713.26,1083.28 ; -1720.19,1073.11 cw(c-1709.27,1073.11) U600.62@-1713.26,1083.28 ; -1717.02,1078.43 ccw(c-1722.8,1084.21) U600.62@-1714.63,1084.21 ; -1717.02,1078.43 ccw(c-1722.8,1084.21) U600.62@-1714.63,1084.21 ; -1717.02,1078.43 ccw(c-1722.8,1084.21) U600.62@-1714.63,1084.21 ; -1717.02,1078.43 ccw(c-1722.8,1084.21) U600.62@-1714.63,1084.21 ; v1@-1553.54,1281.46 cw(c-1562.07,1272.93) -1550,1272.93 ; v1@-1553.54,1281.46 cw(c-1562.07,1272.93) -1550,1272.93 ; v1@-1553.54,1281.46 cw(c-1562.07,1272.93) -1550,1272.93 ; v1@-1553.54,1281.46 cw(c-1562.07,1272.93) -1550,1272.93 ; -1550,1272.93 cw(c-1537.93,1272.93) v1@-1546.46,1281.46 ; -1550,1272.93 cw(c-1537.93,1272.93) v1@-1546.46,1281.46 ; -1550,1272.93 cw(c-1537.93,1272.93) v1@-1546.46,1281.46 ; -1550,1272.93 cw(c-1537.93,1272.93) v1@-1546.46,1281.46 ; -1534.07,1947 cw(c-1534.07,1934.93) v1@-1525.54,1943.46 ; -1534.07,1947 ccw(c-1534.07,1959.07) v1@-1525.54,1950.54 ; -1534.07,1947 cw(c-1534.07,1934.93) v1@-1525.54,1943.46 ; -1534.07,1947 ccw(c-1534.07,1959.07) v1@-1525.54,1950.54 ; -1534.07,1947 cw(c-1534.07,1934.93) v1@-1525.54,1943.46 ; -1534.07,1947 ccw(c-1534.07,1959.07) v1@-1525.54,1950.54 ; -1534.07,1947 cw(c-1534.07,1934.93) v1@-1525.54,1943.46 ; -1534.07,1947 ccw(c-1534.07,1959.07) v1@-1525.54,1950.54
  Mid-Layer 2 w10: v1(-1550,1285) -1550,1489.85 -1526,1513.85 -1526,1574.89 -1550,1598.89 -1550,1703.89 -1523,1730.89 -1523,1946 v1(-1522,1947) ; v1@-1553.54,1288.54 ccw(c-1562.07,1297.07) -1550,1297.07 ; v1@-1553.54,1288.54 ccw(c-1562.07,1297.07) -1550,1297.07 ; v1@-1553.54,1288.54 ccw(c-1562.07,1297.07) -1550,1297.07 ; v1@-1553.54,1288.54 ccw(c-1562.07,1297.07) -1550,1297.07 ; -1550,1297.07 ccw(c-1537.93,1297.07) v1@-1546.46,1288.54 ; -1550,1297.07 ccw(c-1537.93,1297.07) v1@-1546.46,1288.54 ; -1550,1297.07 ccw(c-1537.93,1297.07) v1@-1546.46,1288.54 ; -1550,1297.07 ccw(c-1537.93,1297.07) v1@-1546.46,1288.54 ; -1523,1932.51 cw(c-1507.51,1932.51) v1@-1518.46,1943.46 ; -1523,1932.51 cw(c-1507.51,1932.51) v1@-1518.46,1943.46 ; -1523,1932.51 cw(c-1507.51,1932.51) v1@-1518.46,1943.46 ; -1523,1932.51 cw(c-1507.51,1932.51) v1@-1518.46,1943.46